# Altium PCB CATS-GS.PcbDoc (part 1 of 3) (continued)
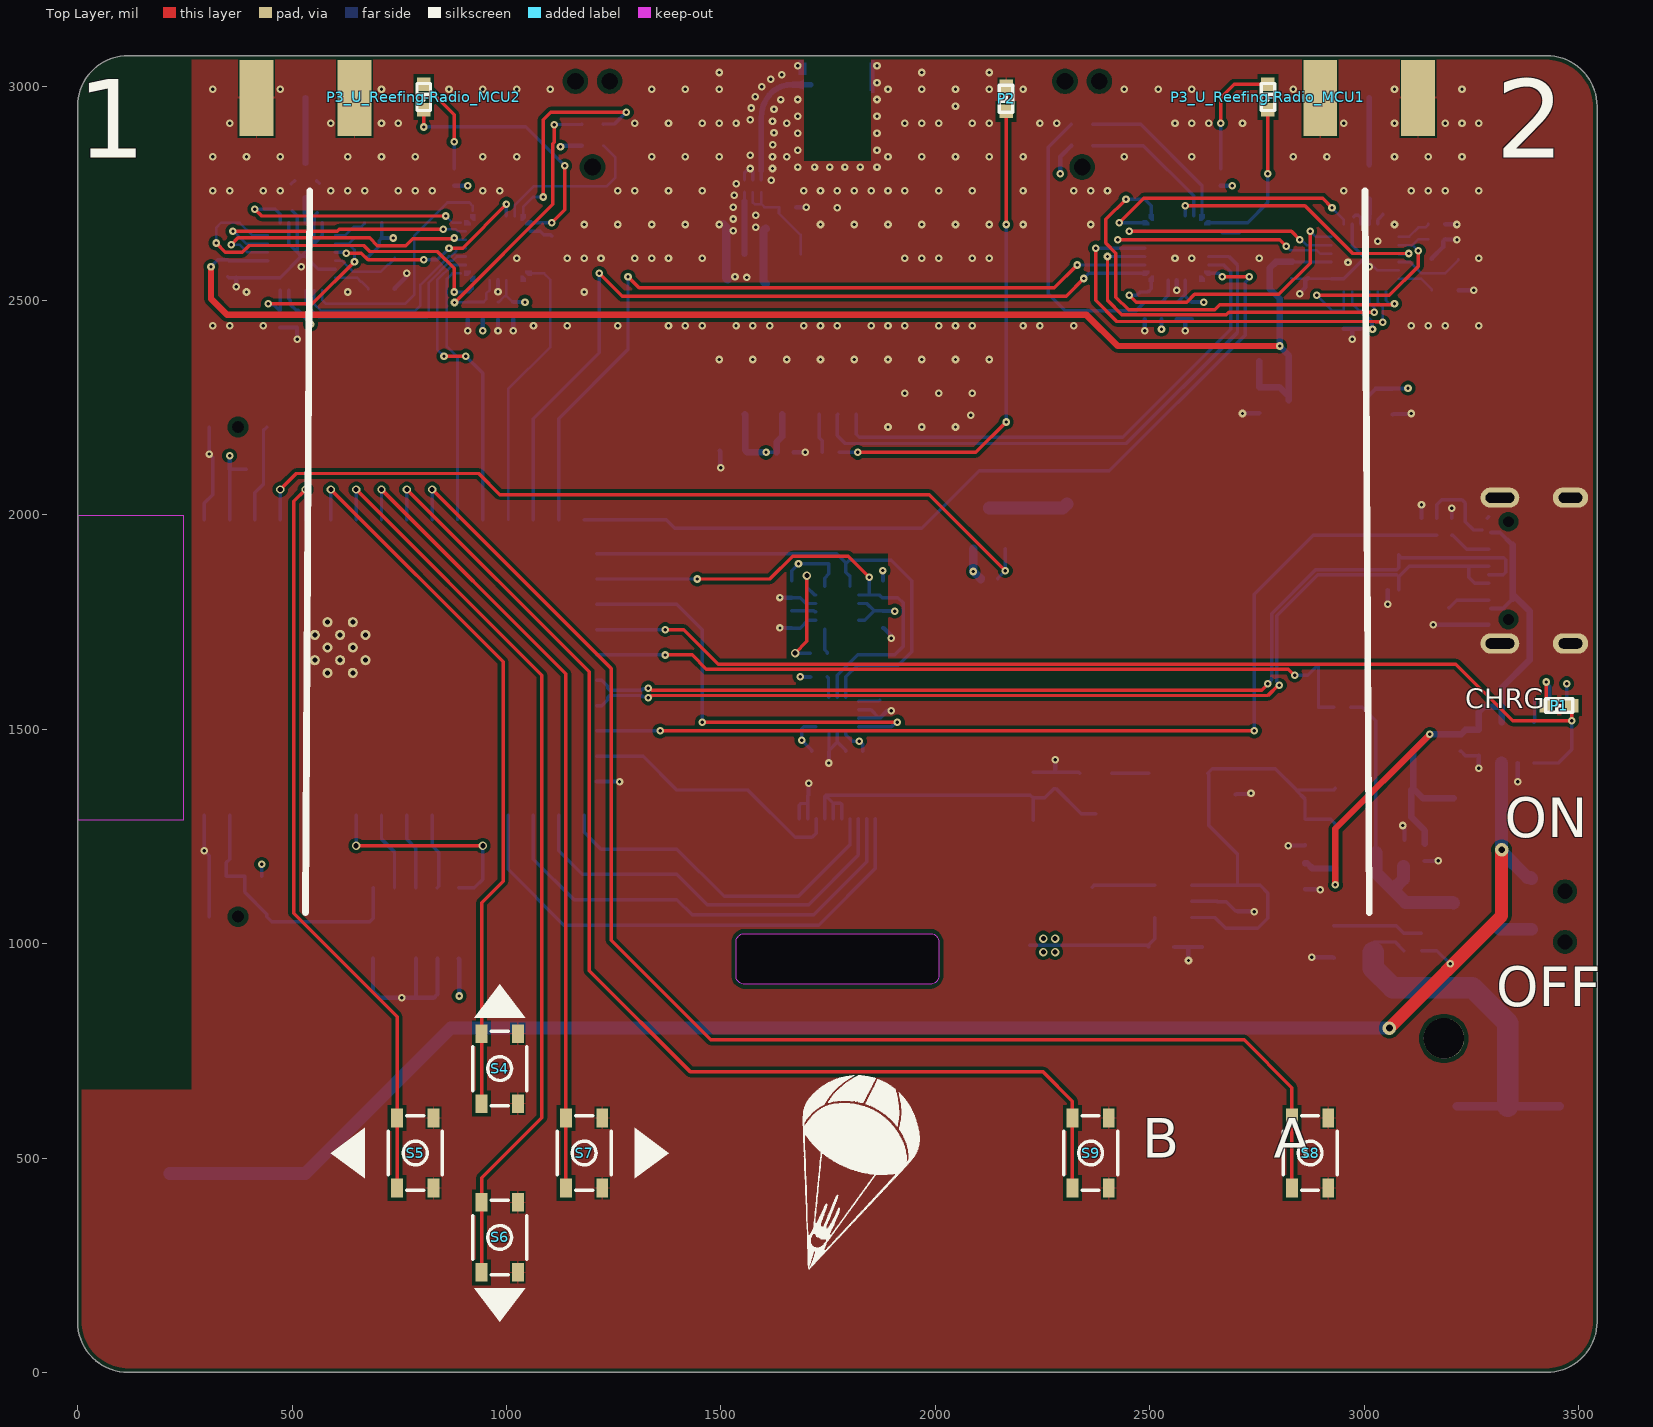
[diagram p0: Top Layer view]
## Components (designator, comment, footprint, x,y, rotation, side; value= is the part's Value field where it differs from the comment)
ANT1 "W3011A" "SMD ANTENNA W3011A" 1771.65,3021.65 r180 bottom
C1 "100nF" "SMD Keramikkondensator 0402" 3094.49,1003.94 r90 bottom
C2 "10uF" "SMD Keramikkondensator 0603" 2862.2,1157.48 r90 bottom
C3 "10uF" "SMD Keramikkondensator 0603" 3094.49,1212.6 r270 bottom
C4 "10uF" "SMD Keramikkondensator 0603" 2862.2,1259.84 r90 bottom
C5 "100nF" "SMD Keramikkondensator 0402" 2874.02,1551.18 r0 bottom
C6 "100nF" "SMD Keramikkondensator 0402" 2657.48,1118.11 r90 bottom
C7 "10uF" "SMD Keramikkondensator 0603" 2704.72,1106.3 r90 bottom
C8 "10uF" "SMD Keramikkondensator 0603" 2527.56,992.13 r180 bottom
C9 "22nF" "SMD Keramikkondensator 0603" 3066.93,2263.78 r90 bottom
C10 "22nF" "SMD Keramikkondensator 0603" 2755.91,2267.72 r90 bottom
C11 "10uF" "SMD Keramikkondensator 0603" 3267.72,1468.5 r90 bottom
C12 "100nF" "SMD Keramikkondensator 0402" 3224.41,1468.5 r90 bottom
C13 "10uF" "SMD Keramikkondensator 0603" 2700.79,1377.95 r90 bottom
C14 "100nF" "SMD Keramikkondensator 0402" 2279.53,1381.89 r270 bottom
C15 "10uF" "SMD Keramikkondensator 0603" 2228.35,1370.08 r270 bottom
C16 "4.7uF" "SMD Keramikkondensator 0402" 334.65,2106.3 r0 bottom
C17 "100nF" "SMD Keramikkondensator 0402" 334.65,2066.93 r0 bottom
C18 "100nF" "SMD Keramikkondensator 0402" 326.77,1157.48 r0 bottom
C19 "100nF" "SMD Keramikkondensator 0402" 1665.35,1826.77 r90 bottom
C20 "100nF" "SMD Keramikkondensator 0402" 1877.95,1755.91 r90 bottom
C21 "220nF" "SMD Keramikkondensator 0402" 1728.35,1677.17 r0 bottom
C22 "4.7uF" "SMD Keramikkondensator 0402" 1665.35,1755.91 r90 bottom
C23 "100nF" "SMD Keramikkondensator 0402" 1811.02,1448.82 r0 bottom
C24 "100nF" "SMD Keramikkondensator 0402" 1732.28,1448.82 r180 bottom
C25 "100nF" "SMD Keramikkondensator 0402" 1724.41,1346.46 r0 bottom
C26 "10uF" "SMD Keramikkondensator 0603" 1527.56,2149.61 r0 bottom
C27 "100nF" "SMD Keramikkondensator 0402" 1649.61,2145.67 r180 bottom
C28 "100nF" "SMD Keramikkondensator 0402" 1655.51,2717.52 r180 bottom
C29_U_Reefing-Radio_MCU1 "4.7uF" "SMD Keramikkondensator 0402" 2562.99,2476.38 r90 bottom (schematic designator C29)
C29_U_Reefing-Radio_MCU2 "4.7uF" "SMD Keramikkondensator 0402" 980.31,2476.38 r90 bottom (schematic designator C29)
C30_U_Reefing-Radio_MCU1 "100nF" "SMD Keramikkondensator 0402" 2598.43,2476.38 r90 bottom (schematic designator C30)
C30_U_Reefing-Radio_MCU2 "100nF" "SMD Keramikkondensator 0402" 1015.75,2476.38 r90 bottom (schematic designator C30)
C31_U_Reefing-Radio_MCU1 "100nF" "SMD Keramikkondensator 0402" 2488.19,2476.38 r90 bottom (schematic designator C31)
C31_U_Reefing-Radio_MCU2 "100nF" "SMD Keramikkondensator 0402" 909.45,2476.38 r90 bottom (schematic designator C31)
C32_U_Reefing-Radio1 "100nF" "SMD Keramikkondensator 0402" 2992.13,2453.74 r90 bottom (schematic designator C32)
C32_U_Reefing-Radio2 "100nF" "SMD Keramikkondensator 0402" 511.81,2456.69 r90 bottom (schematic designator C32)
C33_U_Reefing-Radio1 "10nF" "SMD Keramikkondensator 0402" 3169.29,2642.72 r180 bottom (schematic designator C33)
C33_U_Reefing-Radio2 "10nF" "SMD Keramikkondensator 0402" 688.98,2645.67 r180 bottom (schematic designator C33)
C34_U_Reefing-Radio1 "470nF" "SMD Keramikkondensator 0402" 2952.76,2453.74 r90 bottom (schematic designator C34)
C34_U_Reefing-Radio2 "470nF" "SMD Keramikkondensator 0402" 472.44,2456.69 r90 bottom (schematic designator C34)
C35_U_Reefing-Radio1 "10nF" "SMD Keramikkondensator 0402" 3169.29,2678.15 r180 bottom (schematic designator C35)
C35_U_Reefing-Radio2 "10nF" "SMD Keramikkondensator 0402" 688.98,2681.1 r180 bottom (schematic designator C35)
C36_U_Reefing-Radio1 "2.2uF" "SMD Keramikkondensator 0402" 2830.71,2571.85 r90 bottom (schematic designator C36)
C36_U_Reefing-Radio2 "2.2uF" "SMD Keramikkondensator 0402" 350.39,2574.8 r90 bottom (schematic designator C36)
C37_U_Reefing-Radio1 "100nF" "SMD Keramikkondensator 0402" 2870.08,2571.85 r90 bottom (schematic designator C37)
C37_U_Reefing-Radio2 "100nF" "SMD Keramikkondensator 0402" 389.76,2574.8 r90 bottom (schematic designator C37)
C38 "3.3pF" "SMD Keramikkondensator 0402" 1574.8,2884.84 r0 bottom
D1 "SS54" "SMD Diode DO-214-AC" 3023.62,1362.2 r0 bottom
D2 "PD4E1U06" "SMD IC SOT-363 (SC-70-6)" 3055.12,1866.14 r270 bottom
FL1_U_Reefing-Radio1 "DEA202450BT-1213C1" "SMD Filter DEA202450BT" 3011.81,2776.57 r90 bottom (schematic designator FL1)
FL1_U_Reefing-Radio2 "DEA202450BT-1213C1" "SMD Filter DEA202450BT" 531.5,2779.53 r90 bottom (schematic designator FL1)
L1 "10µH" "SMD Inductor 4x4x1.8" 2366.14,1062.99 r270 bottom
L2 "100µH" "SMD Inductor 1812" 2913.39,2267.72 r180 bottom
L3 "22µH" "SMD Inductor 4x4x1.8" 2566.93,1397.64 r180 bottom
LS1 "Buzzer" "SMD BUZZER CMT-8504" 2440.94,1889.76 r270 bottom
P1 "LED" "SMD LED 0603" 3456.69,1555.12 r180 top
P2 "LED" "SMD LED 0603" 2165.35,2972.44 r270 top
P3_U_Reefing-Radio_MCU1 "LED" "SMD LED 0603" 2775.59,2972.44 r90 top (schematic designator P3)
P3_U_Reefing-Radio_MCU2 "LED" "SMD LED 0603" 807.09,2972.44 r90 top (schematic designator P3)
Q1 "SKML6401" "SMD MOSFET SOT-23" 2980.32,1212.6 r180 bottom
Q2 "AW5105DNR" "SMD LNA AW5105DNR" 1574.8,2766.73 r0 bottom
Q3_U_Reefing-Radio1 "52MHz" "SMD Crystal 2520" 3188.98,2560.04 r270 bottom (schematic designator Q3)
Q3_U_Reefing-Radio2 "52MHz" "SMD Crystal 2520" 708.66,2562.99 r270 bottom (schematic designator Q3)
Q4 "SKML6401" "SMD MOSFET SOT-23" 2125.98,1968.5 r270 bottom
R1 "5.1k" "SMD Widerstand 0402" 3169.29,1972.44 r270 bottom
R2 "5.1k" "SMD Widerstand 0402" 3196.85,1763.78 r90 bottom
R3 "5.1k" "SMD Widerstand 0402" 3204.72,1972.44 r270 bottom
R4 "10k" "SMD Widerstand 0402" 3133.86,1972.44 r90 bottom
R5 "200k" "SMD Widerstand 0402" 2948.82,1551.18 r0 bottom
R6 "1.0k" "SMD Widerstand 0402" 3133.86,1003.94 r270 bottom
R7 "200k" "SMD Widerstand 0402" 2874.02,1594.49 r0 bottom
R8 "10k" "SMD Widerstand 0402" 3141.73,1212.6 r90 bottom
R9 "1.0k" "SMD Widerstand 0402" 3452.76,1570.87 r0 bottom
R10 "2.0k" "SMD Widerstand 0402" 3377.95,1570.87 r0 bottom
R11 "10k" "SMD Widerstand 0402" 413.39,2106.3 r180 bottom
R12 "10k" "SMD Widerstand 0402" 1728.35,1622.05 r180 bottom
R13 "4.7k" "SMD Widerstand 0402" 1771.65,1885.83 r180 bottom
R14 "4.7k" "SMD Widerstand 0402" 1877.95,1826.77 r90 bottom
R15 "10k" "SMD Widerstand 0402" 1870.08,1547.24 r90 bottom
R16 "1.0k" "SMD Widerstand 0402" 1755.91,2145.67 r180 bottom
R17_U_Reefing-Radio_MCU1 "1.0k" "SMD Widerstand 0402" 2665.35,2787.4 r270 bottom (schematic designator R17)
R17_U_Reefing-Radio_MCU2 "1.0k" "SMD Widerstand 0402" 877.95,2787.4 r270 bottom (schematic designator R17)
R18_U_Reefing-Radio_MCU1 "10k" "SMD Widerstand 0402" 2527.56,2476.38 r270 bottom (schematic designator R18)
R18_U_Reefing-Radio_MCU2 "10k" "SMD Widerstand 0402" 944.88,2476.38 r270 bottom (schematic designator R18)
R19 "10k" "SMD Widerstand 0402" 409.45,1157.48 r0 bottom
R20_U_Reefing-Radio_MCU1 "10k" "SMD Widerstand 0402" 2708.66,2637.8 r90 bottom (schematic designator R20)
R20_U_Reefing-Radio_MCU2 "10k" "SMD Widerstand 0402" 1110.24,2633.86 r90 bottom (schematic designator R20)
R21 "10k" "SMD Widerstand 0402" 2125.98,1850.39 r180 bottom
S1 "SPDT" "SMD Switch SPDT 90° G-Switch" 3468.5,1062.99 r90 bottom
S2 "SMD-Button" "SMD BUTTON 2.5X3X1.2" 374.02,1062.99 r270 bottom
S3 "SMD-Button" "SMD BUTTON 2.5X3X1.2" 374.02,2204.72 r270 bottom
S4 "SMD-Button" "SMD Button 4.2x3.2" 984.25,708.66 r90 top
S5 "SMD-Button" "SMD Button 4.2x3.2" 787.4,511.81 r90 top
S6 "SMD-Button" "SMD Button 4.2x3.2" 984.25,314.96 r90 top
S7 "SMD-Button" "SMD Button 4.2x3.2" 1181.1,511.81 r90 top
S8 "SMD-Button" "SMD Button 4.2x3.2" 2874.02,511.81 r90 top
S9 "SMD-Button" "SMD Button 4.2x3.2" 2362.2,511.81 r90 top
TP1 "X-TP" "SMD Testpoint 1mm" 3208.66,1094.49 r90 bottom
TP2 "X-TP" "SMD Testpoint 1mm" 2842.52,1358.27 r90 bottom
TP3 "X-TP" "SMD Testpoint 1mm" 2893.7,1645.67 r90 bottom
TP4 "X-TP" "SMD Testpoint 1mm" 3208.66,1338.58 r90 bottom
TP5 "X-TP" "SMD Testpoint 1mm" 2622.05,992.13 r90 bottom
TP6 "X-TP" "SMD Testpoint 1mm" 2220.47,996.06 r90 bottom
TP7 "X-TP" "SMD Testpoint 1mm" 2755.91,2358.27 r90 bottom
TP8 "X-TP" "SMD Testpoint 1mm" 2228.35,1287.4 r90 bottom
TP9 "X-TP" "SMD Testpoint 1mm" 885.83,2224.41 r90 bottom
TP10 "X-TP" "SMD Testpoint 1mm" 944.88,2224.41 r90 bottom
TP11 "X-TP" "SMD Testpoint 1mm" 1003.94,2224.41 r90 bottom
TP12 "X-TP" "SMD Testpoint 1mm" 1062.99,2224.41 r90 bottom
TP13 "X-TP" "SMD Testpoint 1mm" 1122.05,2224.41 r90 bottom
TP14 "X-TP" "SMD Testpoint 1mm" 1397.64,1968.5 r90 bottom
TP15 "X-TP" "SMD Testpoint 1mm" 1397.64,1909.45 r90 bottom
TP16 "X-TP" "SMD Testpoint 1mm" 1397.64,1850.39 r90 bottom
TP17 "X-TP" "SMD Testpoint 1mm" 1397.64,1791.34 r90 bottom
TP18 "X-TP" "SMD Testpoint 1mm" 1397.64,1358.27 r90 bottom
TP19 "X-TP" "SMD Testpoint 1mm" 1397.64,1220.47 r90 bottom
TP20 "X-TP" "SMD Testpoint 1mm" 1397.64,1161.42 r90 bottom
TP21 "X-TP" "SMD Testpoint 1mm" 1397.64,1102.36 r90 bottom
TP22 "X-TP" "SMD Testpoint 1mm" 1397.64,1043.31 r90 bottom
U1 "RY2200" "SMD IC SOT-23" 2976.38,1003.94 r180 bottom
U2 "TPS62203DBVR" "SMD IC SOT-23-5" 2555.12,1098.43 r0 bottom
U3 "ME4055AM6G-N" "SMD IC SOT-23-6" 3358.27,1468.5 r270 bottom
U4 "ME2188A50XG" "SMD IC SOT-23" 2374.02,1350.39 r90 bottom
U5 "ESP32-S2-WROVER" "SMD ESP32-S2-WROOM" 610.24,1643.7 r270 bottom
U6 "QMC5883L" "SMD IC LGA-16 4/4" 1771.65,1783.46 r180 bottom
U7 "LSM6DSRTR" "SMD IC LGA-14" 1771.65,1535.43 r180 bottom
U8 "ATGM336H-5N" "SMD MAX-8" 1686.02,2421.26 r180 bottom
U9_U_Reefing-Radio_MCU1 "STM32G071GBU6" "SMD IC QFN-28 4x4 0.5 Pitch" 2562.99,2622.05 r180 bottom (schematic designator U9)
U9_U_Reefing-Radio_MCU2 "STM32G071GBU6" "SMD IC QFN-28 4x4 0.5 Pitch" 980.31,2622.05 r180 bottom (schematic designator U9)
U10_U_Reefing-Radio1 "SX1280IMLTRT" "SMD IC QFN-24" 3001.97,2599.41 r180 bottom (schematic designator U10)
U10_U_Reefing-Radio2 "SX1280IMLTRT" "SMD IC QFN-24" 521.65,2602.36 r180 bottom (schematic designator U10)
X1 "USB 2.0 Typ-C" "THT USB-C Socket (A40-00119)" 3385.83,1870.08 r90 bottom
X2 "SMA Connector" "SMD Connector SMA" 531.5,2972.44 r180 bottom
X3 "18650" "SMD 18650 BATTTERY HOLDER" 1775.16,463.9 r0 bottom
X4 "SMA Connector" "SMD Connector SMA" 3011.81,2972.44 r180 bottom
X5 "FFC" "SMD Connector FFC/FPC 10Pin / 0.5mm Pitch" 1771.65,1240.16 r180 bottom
X6 "JTAG-Header (ARM-Cortex)" "SMD Connector 1.27mm (2x5)" 788.98,1047.24 r180 bottom
X7_U_Reefing-Radio_MCU1 "TC2030-CTX-NL" "SMD CONNECTOR TC2030" 2342.52,2811.02 r90 bottom (schematic designator X7)
X7_U_Reefing-Radio_MCU2 "TC2030-CTX-NL" "SMD CONNECTOR TC2030" 1200.79,2811.02 r90 bottom (schematic designator X7)

## Footprints (in the part's own frame and the unit in brackets; to place one, negate y for a bottom-side part, rotate by r counter-clockwise, add the part's x,y. Pads: shape width x height; smd on the part's side, far side on the other; paste and mask are expansions set on the pad)
"SMD 18650 BATTTERY HOLDER" [mm]
  rect 7.35x7.77 smd: 1(-39.63,0) 2(39.63,0)
  round 2.4 hole 2.4: NC(35.84,-8)
  silkscreen extent -38.5,-10.25 38.5,10.25, body extent -43,-10.33 43,10.33, height 14.86
"SMD ANTENNA W3011A" [mm]
  rect 0.85x0.75 smd: 1(1.575,-0.475) 2(1.575,0.475)
  rect 0.85x1.7 smd: 3(-1.575,0)
  body extent -1.61,-0.8 1.61,0.8, height 1.12
"SMD BUTTON 2.5X3X1.2" [mm] "SMD_LED_RED"
  rect 1.7x1.4 smd: 1(0,-1.7) 2(0,1.7)
  round 0 hole 0.7: 6(0,0)
  silkscreen extent -1.25,-1.5 1.25,1.5, body extent -1.25,-2 1.25,2, height 1.6
"SMD Button 4.2x3.2" [mm]
  rect 1.1x0.7 smd: 1(-2.075,1.075) 1(2.075,1.075) 2(-2.075,-1.075) 2(2.075,-1.075)
  silkscreen extent -2.2,-1.6 2.2,1.6, body extent -2.3,-1.6 2.3,1.61, height 2.4
"SMD BUZZER CMT-8504" [mm]
  rect 2.5x2.5 smd: 1(-3.45,3.4) 2(-3.45,-3.4) NC(3.45,-3.4) NC(3.45,3.4)
  silkscreen extent -4.55,-4.2 4.25,6.2, body extent -4.3,-4.28 4.23,4.25, height 4
"SMD Connector 1.27mm (2x5)" [mm]
  rect 0.8x3 smd mask+0.051: 1(-2.54,-2.1) 2(-2.54,2.1) 3(-1.27,-2.1) 4(-1.27,2.1) 5(0,-2.1) 6(0,2.1) 7(1.27,-2.1) 8(1.27,2.1) 9(2.54,-2.1) 10(2.54,2.1)
  silkscreen extent -6.35,-2.54 6.35,3.05, body extent -6.35,-3.05 6.35,3.05, height 5.45
"SMD Connector FFC/FPC 10Pin / 0.5mm Pitch" [mm]
  rect 0.3x1.25 smd: 1(-2.25,1.288) 2(-1.75,1.288) 3(-1.25,1.288) 4(-0.75,1.288) 5(-0.25,1.288) 6(0.25,1.288) 7(0.75,1.288) 8(1.25,1.288) 9(1.75,1.288) 10(2.25,1.288)
  rect 2x2.5 smd: NC(-3.94,-1.288) NC(3.94,-1.288)
  silkscreen extent -4.7,-3.9 4.6,1.9, body extent -4.65,-4.05 4.65,1.8, height 2.11
"SMD Connector SMA" [mm]
  rect 1.2x4.5 smd: 1(0,0)
  rect 2x4.5 smd far side: 2(-2.9,0) 2(2.9,0)
  rect 2x4.5 smd: 2(-2.9,0) 2(2.9,0)
  body extent -3.25,-1.63 3.25,11.87, height 3.7
"SMD CONNECTOR TC2030" [mm]
  round 0.787 smd paste-1: 1(1.27,-0.635) 2(1.27,0.635) 3(2.54,-0.635) 4(2.54,0.635) 5(3.81,-0.635) 6(3.81,0.635)
  round 0.1 hole 0.991: NC(0,0) NC(5.08,-1.016) NC(5.08,1.016)
  silkscreen extent 0,-1.27 4.44,1.27
"SMD Crystal 2520" [mm]
  rect 1x0.9 smd: 1(-0.925,-0.787) 2(0.925,0.788) 3(-0.925,0.788) 3(0.925,-0.787)
  silkscreen extent -1.85,-1.61 1.2,1, body extent -1.25,-1 1.25,1, height 0.7
"SMD Diode DO-214-AC" [mm] "SM LED; 2 Flat Leads"
  rect 2x1.8 smd: A(2.3,0) K(-2.3,0)
  silkscreen extent -2.3,-1.36 2.3,1.27, body extent -2.8,-1.47 2.8,1.48, height 2.7
"SMD ESP32-S2-WROOM" [mm]
  rect 1.5x0.9 smd: 1(-8.75,8) 2(-8.75,6.5) 3(-8.75,5) 4(-8.75,3.5) 5(-8.75,2) 6(-8.75,0.5) 7(-8.75,-1) 8(-8.75,-2.5) 9(-8.75,-4) 10(-8.75,-5.5) 11(-8.75,-7) 12(-8.75,-8.5) 13(-8.75,-10) 14(-8.75,-11.5) 15(-8.75,-13) 16(-8.75,-14.5) 27(8.75,-14.5) 28(8.75,-13) 29(8.75,-11.5) 30(8.75,-10) 31(8.75,-8.5) 32(8.75,-7) 33(8.75,-5.5) 34(8.75,-4) 35(8.75,-2.5) 36(8.75,-1) 37(8.75,0.5) 38(8.75,2) 39(8.75,3.5) 40(8.75,5) 41(8.75,6.5) 42(8.75,8)
  rect 0.9x1.5 smd: 17(-6.75,-15.25) 18(-5.25,-15.25) 19(-3.75,-15.25) 20(-2.25,-15.25) 21(-0.75,-15.25) 22(0.75,-15.25) 23(2.25,-15.25) 24(3.75,-15.25) 25(5.25,-15.25) 26(6.75,-15.25)
  rect 1.1x1.1 smd: 43(-2.69,-1.55) 43(-2.69,-0.05) 43(-2.69,1.45) 43(-1.19,-1.55) 43(-1.19,-0.05) 43(-1.19,1.45) 43(0.31,-1.55) 43(0.31,-0.05) 43(0.31,1.45)
  round 0.6 hole 0.3: 43(-2.69,-0.8) 43(-2.69,0.7) 43(-1.94,-1.55) 43(-1.94,-0.05) 43(-1.94,1.45) 43(-1.19,-0.8) 43(-1.19,0.7) 43(-0.44,-1.55) 43(-0.44,-0.05) 43(-0.44,1.45) 43(0.31,-0.8) 43(0.31,0.7)
  Keep-Out Layer region: 9,9.2 -9,9.2 -9,15.5 9,15.5
  Keep-Out Layer region: 9,9.2 -9,9.2 -9,15.5 9,15.5
  Keep-Out Layer region: 9,9.2 -9,9.2 -9,15.5 9,15.5
  silkscreen extent -10.28,-15.5 9,15.5, body extent -9,-15.55 9,15.45, height 3.3
"SMD Filter DEA202450BT" [mm]
  rect 0.55x0.35 smd: 1(-1.025,0) 3(1.025,0)
  rect 1.25x0.55 smd: 2(0,0.65) 4(0,-0.65)
  silkscreen extent -0.5,-0.2 -0.25,0.2, body extent -1,-0.63 1,0.63, height 0.9
"SMD IC LGA-14" [mm]
  rect 0.675x0.25 smd: 1(-1.262,0.75) 2(-1.262,0.25) 3(-1.262,-0.25) 4(-1.262,-0.75) 8(1.263,-0.75) 9(1.263,-0.25) 10(1.263,0.25) 11(1.263,0.75)
  rect 0.25x0.675 smd: 5(-0.5,-1.004) 6(0,-1.004) 7(0.5,-1.004) 12(0.5,1.004) 13(0,1.004) 14(-0.5,1.004)
  silkscreen extent -1.86,-1.25 1.5,1.61, body extent -1.5,-1.25 1.5,1.25, height 0.84
"SMD IC LGA-16 4/4" [mm]
  rect 0.45x0.3 smd: 1(-1.275,0.75) 2(-1.275,0.25) 3(-1.275,-0.25) 4(-1.275,-0.75) 9(1.275,-0.75) 10(1.275,-0.25) 11(1.275,0.25) 12(1.275,0.75)
  rect 0.3x0.45 smd: 5(-0.75,-1.275) 6(-0.25,-1.275) 7(0.25,-1.275) 8(0.75,-1.275) 13(0.75,1.275) 14(0.25,1.275) 15(-0.25,1.275) 16(-0.75,1.275)
  silkscreen extent -1.5,-1.5 1.5,1.5, body extent -1.5,-1.5 1.5,1.5, height 1
"SMD IC QFN-24" [mm] "QFN, 24-Leads, Body 4x4mm, Pitch 0.5mm, Thermal Pad 2.68x2.68mm, IPC Medium Density"
  rect 2.68x2.68 smd: 0(0,0)
  oval 0.7x0.22 smd: 1(-2,1.25) 2(-2,0.75) 3(-2,0.25) 4(-2,-0.25) 5(-2,-0.75) 6(-2,-1.25) 13(2,-1.25) 14(2,-0.75) 15(2,-0.25) 16(2,0.25) 17(2,0.75) 18(2,1.25)
  oval 0.22x0.7 smd: 7(-1.25,-2) 8(-0.75,-2) 9(-0.25,-2) 10(0.25,-2) 11(0.75,-2) 12(1.25,-2) 19(1.25,2) 20(0.75,2) 21(0.25,2) 22(-0.25,2) 23(-0.75,2) 24(-1.25,2)
  silkscreen extent -2.93,-2.15 2.15,2.15, body extent -2,-2 2,2, height 0.9
"SMD IC QFN-28 4x4 0.5 Pitch" [mm] "QFN, 28-Leads"
  rect 0.3x0.35 smd: 1(-1.5,-2) 7(1.5,-2) 15(1.5,2) 21(-1.5,2)
  rect 0.3x0.55 smd: 2(-1,-1.9) 3(-0.5,-1.9) 4(0,-1.9) 5(0.5,-1.9) 6(1,-1.9) 16(1,1.9) 17(0.5,1.9) 18(0,1.9) 19(-0.5,1.9) 20(-1,1.9)
  rect 0.35x0.3 smd: 8(2,-1.5) 14(2,1.5) 22(-2,1.5) 28(-2,-1.5)
  rect 0.55x0.3 smd: 9(1.9,-1) 10(1.9,-0.5) 11(1.9,0) 12(1.9,0.5) 13(1.9,1) 23(-1.9,1) 24(-1.9,0.5) 25(-1.9,0) 26(-1.9,-0.5) 27(-1.9,-1)
  Top Layer region: 2,-1.35 1.625,-1.35 1.625,-1.5 1.775,-1.65 2,-1.65
  Top Layer region: 1.35,-2 1.35,-1.625 1.5,-1.625 1.65,-1.775 1.65,-2
  Top Layer region: -2,-1.35 -1.625,-1.35 -1.625,-1.5 -1.775,-1.65 -2,-1.65
  Top Layer region: -1.35,-2 -1.35,-1.625 -1.5,-1.625 -1.65,-1.775 -1.65,-2
  Top Layer region: 2,1.35 1.625,1.35 1.625,1.5 1.775,1.65 2,1.65
  Top Layer region: 1.35,2 1.35,1.625 1.5,1.625 1.65,1.775 1.65,2
  Top Layer region: -1.35,2 -1.35,1.625 -1.5,1.625 -1.65,1.775 -1.65,2
  Top Layer region: -2,1.35 -1.625,1.35 -1.625,1.5 -1.775,1.65 -2,1.65
  silkscreen extent -2.17,-2.95 2.17,2.17, body extent -2,-2 2,2, height 0.8
"SMD IC SOT-23" [mm]
  rect 1.5x1 smd: 1(1.2,-0.95) 2(1.2,0.95) 3(-1.2,0)
  silkscreen extent -0.7,-1.5 0.7,1.5, body extent -1.2,-1.5 1.3,1.5, height 1.1
"SMD IC SOT-23-5" [mm]
  rect 1.2x0.7 smd: 1(1.1,-0.95) 2(1.1,0) 3(1.1,0.95) 4(-1.1,0.95) 5(-1.1,-0.95)
  silkscreen extent -0.7,-1.5 0.7,1.5, body extent -1.3,-1.5 1.2,1.5, height 1.1
"SMD IC SOT-23-6" [mm] "SOT-223/SC-73; 4 Leads; Body 6.7 x 7.3 mm, inc. leads (LxW max)"
  rect 1.2x0.7 smd: 1(1.2,-0.95) 2(1.2,0) 3(1.2,0.95) 4(-1.2,0.95) 5(-1.2,0) 6(-1.2,-0.95)
  silkscreen extent -0.8,-1.9 1.2,1.4, body extent -1.4,-1.45 1.4,1.45, height 1.45
"SMD IC SOT-363 (SC-70-6)" [mm]
  rect 0.8x0.5 smd: 1(1.05,-0.65) 2(1.05,0) 3(1.05,0.65) 4(-1.05,0.65) 5(-1.05,0) 6(-1.05,-0.65)
  silkscreen extent -0.63,-1.4 0.8,1.05, body extent -1.05,-1 1.05,1, height 0.92
"SMD Inductor 4x4x1.8" [mm]
  rect 1.4x3.3 smd: 1(-1.75,0) 2(1.75,0)
  silkscreen extent -2,-2 2,2, body extent -2,-2 2,2, height 1.65
"SMD Inductor 1812" [mm]
  rect 1.5x2.8 smd: 1(-2.25,0) 2(2.25,0)
  silkscreen extent -2.25,-1.5 2.25,1.5, body extent -2.25,-1.6 2.25,1.6, height 3.2
"SMD Keramikkondensator 0402" [mil]
  rect 20x24 smd: 1(-20,0) 2(20,0)
  silkscreen extent -20,-10 20,10, body extent -20,-10 20,10, height 20
"SMD Keramikkondensator 0603" [mil]
  rect 25x35 smd: 1(-30,0) 2(30,0)
  silkscreen extent -30,-15 30,15, body extent -31,-16 31,16, height 32
"SMD LED 0603" [mm] "SMD_LED_RED"
  rect 0.8x0.8 smd: A(0.8,0) K(-0.7,0)
  silkscreen extent -0.75,-0.4 0.85,0.4, body extent -0.79,-0.36 0.86,0.37, height 0.68
"SMD LNA AW5105DNR" [mm]
  rect 0.2x0.5 smd: 1(-0.5,-0.375) 3(0.5,-0.375) 4(0.5,0.375) 5(0,0.375)
  rect 0.2x0.45 smd: 2(0,-0.375) 6(-0.5,0.375)
  silkscreen extent -1.02,-0.67 0.8,0.5, body extent -0.75,-0.5 0.75,0.5, height 0.55
"SMD MAX-8" [mm]
  rect 0.7x1.8 smd: 1(-4.4,-4.75) 9(4.4,-4.75) 10(4.4,4.75) 18(-4.4,4.75)
  rect 0.8x1.8 smd: 2(-3.3,-4.75) 3(-2.2,-4.75) 4(-1.1,-4.75) 5(0,-4.75) 6(1.1,-4.75) 7(2.2,-4.75) 8(3.3,-4.75) 11(3.3,4.75) 12(2.2,4.75) 13(1.1,4.75) 14(0,4.75) 15(-1.1,4.75) 16(-2.2,4.75) 17(-3.3,4.75)
  silkscreen extent -5.05,-6.52 5.05,4.85, body extent -5.05,-4.85 5.05,4.85, height 2.5
"SMD MOSFET SOT-23" [mm]
  rect 1.5x1 smd: D(-1.2,0) G(1.2,-0.95) S(1.2,0.95)
  silkscreen extent -1.2,-1.28 0.3,1.27, body extent -1.2,-1.5 1.3,1.5, height 1.1
"SMD Switch SPDT 90° G-Switch" [mm]
  rect 0.9x1.25 smd: 1(-2.25,-2.075) 2(-0.75,-2.075) 3(2.25,-2.075)
  rect 0.8x0.96 smd: NC(-3.8,-1.135) NC(-3.8,1.135) NC(3.8,-1.135) NC(3.8,1.135)
  round 0.5 hole 0.9: NC(-1.5,0) NC(1.5,0)
  silkscreen extent -3.4,-1.4 3.4,2.8, body extent -3.85,-2.2 3.85,2.8, height 1.4
"SMD Testpoint 1mm" [mm]
  round 1 smd paste+0 mask+0.102: 1(0,0)
"SMD Widerstand 0402" [mil]
  rect 20x24 smd: 1(-20,0) 2(20,0)
  silkscreen extent -20,-10 20,10, body extent -20,-10 20,10, height 14
"THT USB-C Socket (A40-00119)" [mm]
  rect 0.6x1.25 smd: A1B12(3.2,-2.425) A4B9(2.4,-2.425) B1A12(-3.2,-2.425) B4A9(-2.4,-2.425)
  rect 0.3x1.25 smd: A5(1.25,-2.425) A6(0.25,-2.425) A7(-0.25,-2.425) A8(-1.25,-2.425) B5(-1.75,-2.425) B6(-0.75,-2.425) B7(0.75,-2.425) B8(1.75,-2.425)
  oval 1.2x2.1 hole 0.6 slot 1.4 at 90 deg: G1(4.32,2.425) G3(-4.32,2.425)
  oval 1.2x2.3 hole 0.6 slot 1.7 at 90 deg: G2(4.32,-1.755) G4(-4.32,-1.755)
  round 0 hole 0.65 unplated: NC(-2.89,-1.255) NC(2.89,-1.255)
  silkscreen extent -4.4,-2.27 4.4,5.03, body extent -4.47,-2.8 4.48,4.95, height 3.26

## Part data
ANT1: "RF ANT 1.575GHZ CHIP SOLDER SMD", ComponentLink1Description=Datasheet, ComponentLink1URL=https://media.digikey.com/pdf/Data%20Sheets/Pulse%20PDFs/W3011A_DS.pdf, Digikey=553-1671-1-ND
C1 C5 C6 C12 C14 C17 C18 C19 C20 C23 C24 C25 C27 C28 C30_U_Reefing-Radio_MCU1 C30_U_Reefing-Radio_MCU2 C31_U_Reefing-Radio_MCU1 C31_U_Reefing-Radio_MCU2 C32_U_Reefing-Radio1 C32_U_Reefing-Radio2 C37_U_Reefing-Radio1 C37_U_Reefing-Radio2: library part "E6 - 100nF", "SMD Ceramic Capacitor E6", JLC=C307331, Unit Price=0.01
  C17 C18: Number=-, Supplier=-
C2 C3 C4 C7 C8 C11 C13 C15 C26: library part "E6 - 10uF", "SMD Ceramic Capacitor E6", JLC=C70225, Unit Price=0.01
C9 C10: library part "E6 - 22nF", "SMD Ceramic Capacitor E6", JLC=C1729, Unit Price=0.01
C16 C22 C29_U_Reefing-Radio_MCU1 C29_U_Reefing-Radio_MCU2: library part "E6 - 4.7uF", "SMD Ceramic Capacitor E6", JLC=C23733, Unit Price=0.01
  C16: Number=-, Supplier=-
C21: library part "E6 - 220nF", "SMD Ceramic Capacitor E6", JLC=C16772, Number=-, Supplier=-, Unit Price=0.01
C33_U_Reefing-Radio1 C33_U_Reefing-Radio2 C35_U_Reefing-Radio1 C35_U_Reefing-Radio2: library part "E6 - 10nF", "SMD Ceramic Capacitor E6", JLC=C15195, Unit Price=0.01
C34_U_Reefing-Radio1 C34_U_Reefing-Radio2: library part "E6 - 470nF", "SMD Ceramic Capacitor E6", JLC=C47339, Unit Price=0.01
C36_U_Reefing-Radio1 C36_U_Reefing-Radio2: library part "E6 - 2.2uF", "SMD Ceramic Capacitor E6", JLC=C193620, Unit Price=0.01
C38: library part "E6 - 3.3nF", "SMD Ceramic Capacitor E6", Number=-, Supplier=-, Unit Price=0.01
D1: "40V 5A 550mV @ 5A SMA(DO-214AC) Schottky Barrier Diodes (SBD) ROHS", JLC=C22452, ComponentLink1Description=Datasheet, ComponentLink1URL=https://datasheet.lcsc.com/lcsc/1810192041_MDD%EF%BC%88Microdiode-Electronics%EF%BC%89-SS54_C22452.pdf, Unit Price=0.07
D2: library part PD4E1U06DCKR, "Unidirectional 3A (8/20us) 15V (Typ) 6.5V 5.5V (Max) SOT-363 ESD Protection Devices ROHS", JLC=C194628, Component Description="ESD Suppressor", Component Value=PD4E1U06, ComponentLink1Description=Datasheet, ComponentLink1URL=https://datasheet.lcsc.com/lcsc/1810172210_Texas-Instruments-TPD4E1U06DCKR_C194628.pdf, Digikey=296-39347-1-ND, Farnell=3116516, Mouser=595-TPD4E1U06DCKR, Unit Price=0.12
FL1_U_Reefing-Radio1 FL1_U_Reefing-Radio2: "Multilayer Band Pass Filter 2400-2500MHz", JLC=C307898, ComponentLink1Description=Datasheet, ComponentLink1URL=https://datasheet.lcsc.com/lcsc/1811021613_TDK-DEA202450BT-1213C1_C307898.pdf
L1: library part "Inductor 10µH / 1.6A", "165mOhm SMD, 1.6A", JLC=C135263, ComponentLink1Description=Datasheet, ComponentLink1URL=https://datasheet.lcsc.com/lcsc/2108131530_SXN-Shun-Xiang-Nuo-Elec-SMNR4020-10UH_C135263.pdf, Unit Price=0.07
L2: library part "Inductor 100µH / 0.25A", "0.25A 100µH ±20% 144mΩ SMD Power Inductors", JLC=C76822, ComponentLink1Description=Datasheet, ComponentLink1URL=https://datasheet.lcsc.com/lcsc/2110081330_Sunlord-SPH252012H3R3MT_C98379.pdf, Unit Price=0.19
L3: library part "Inductor 22µH / 1A", "350mOhm SMD, 1A", JLC=C135264, ComponentLink1Description=Datasheet, ComponentLink1URL=https://datasheet.lcsc.com/lcsc/2108131530_SXN-Shun-Xiang-Nuo-Elec-SMNR4020-22UH_C135264.pdf
LS1: "Buzzers Indicator, Internally Driven Piezo 12V 10mA 3kHz 100dB @ 12V, 10cm Through Hole PC Pins", JLC=C255315, ComponentLink1Description=Datasheet, ComponentLink1URL=https://datasheet.lcsc.com/lcsc/2001061407_INGHAi-GSC8530RA-16R2700_C255315.pdf, Digikey=2603-CT08E-06S300-2TR-ND, Unit Price=0.4057
P1 P2: "Color LED", JLC=C2286
P3_U_Reefing-Radio_MCU1 P3_U_Reefing-Radio_MCU2: "Color LED", JLC=C72043
Q1 Q4: "P Channel MOSFET, 16V 3A, SOT-23", JLC=C475708, ComponentLink1Description=Datasheet, ComponentLink1URL=https://datasheet.lcsc.com/lcsc/2001131004_Shikues-SKML6401_C475708.pdf
Q2: "BDS/GPS/GNSS INTEGRATED FRONT-END MODULE WITH / LOW NOISE AMPLIFIER AND FILTER", JLC=C506193, ComponentLink1Description=Datasheet, ComponentLink1URL=https://datasheet.lcsc.com/lcsc/2008041805_AWINIC-Shanghai-Awinic-Tech-AW5105DNR_C506193.pdf
Q3_U_Reefing-Radio1 Q3_U_Reefing-Radio2: library part "Crystal 52MHz - 2520", "52Mhz Ceramic 2.5 x 2.0mm SMD 10pF 60Ω ±10ppm", JLC=C963550, ComponentLink1Description=Datasheet, ComponentLink1URL=https://datasheet.lcsc.com/lcsc/2012211835_WTL-WTL2M75523TW_C963550.pdf, Unit Price=0.39
R1 R2 R3: library part "E24 - 5.1k", "SMD Chip Resistor E24", JLC=C25905, Number=-, Supplier=-, Unit Price=0.01
R4 R8 R11 R12 R15 R18_U_Reefing-Radio_MCU1 R18_U_Reefing-Radio_MCU2 R19 R20_U_Reefing-Radio_MCU1 R20_U_Reefing-Radio_MCU2 R21: library part "E24 - 10k", "SMD Chip Resistor E24", JLC=C25744, Unit Price=0.01
  R4 R8 R11 R12 R15 R19 R21: Number=-, Supplier=-
R5 R7: library part "E24 - 200k", "SMD Chip Resistor E24", JLC=C25764, Unit Price=0.01
R6 R9 R16 R17_U_Reefing-Radio_MCU1 R17_U_Reefing-Radio_MCU2: library part "E24 - 1.0k", "SMD Chip Resistor E24", JLC=C11702, Unit Price=0.01
  R16: Number=-, Supplier=-
R10: library part "E24 - 2.0k", "SMD Chip Resistor E24", JLC=C25879, Number=-, Supplier=-, Unit Price=0.01
R13 R14: library part "E24 - 4.7k", "SMD Chip Resistor E24", JLC=C25900, Number=-, Supplier=-, Unit Price=0.01
S1: library part "Switch SPDT G-Switch", "Slide Switch SPDT SMD", JLC=C778186, ComponentLink1Description=Datasheet, ComponentLink1URL=https://datasheet.lcsc.com/lcsc/2009021103_G-Switch-MK-12C02-G025_C778186.pdf
S2 S3: library part "Button 3mmx2.5mm", "Button SPST", JLC=C128937, Digikey=SW1020TR-ND
S4 S5 S6 S7 S8 S9: library part "Button 4.2mmx3.2mm", "Button SPST", LCSC=C139797
TP1 TP2 TP4 TP5 TP7 TP8 TP9 TP10 TP11 TP12 TP13 TP14 TP15 TP16 TP17 TP18 TP19 TP20 TP21 TP22: "Testpunkt", Component Value="Ø 0.8mm", Component Description=Testpoint, Unit Price=0.00
TP3 TP6: "Testpunkt", Unit Price=0.00
U1: "One Cell Li-ion and Li-poly Battery Protection IC", JLC=C2888102, ComponentLink1Description=Datasheet, ComponentLink1URL=https://datasheet.lcsc.com/lcsc/2108251630_RYCHIP-Semiconductor-Inc--RY2200_C2888102.pdf
U2: "High-Efficiency Synchronous Step-Down / synchronous step-down converters ideally suited for Converter 3.3V", JLC=C9051, ComponentLink1Description=Datasheet, ComponentLink1URL=https://www.ti.com/lit/ds/symlink/tps62203.pdf?HQS=dis-mous-null-mousermode-dsf-pf-null-wwe&ts=1645451444570&ref_url=https%253A%252F%252Fwww.mouser.ch%252F, Unit Price=1.03
U3: "800mA Lithium Ion Battery Linear Charger", JLC=C82121, ComponentLink1Description=Datasheet, ComponentLink1URL=https://datasheet.lcsc.com/lcsc/1809291612_MICRONE-Nanjing-Micro-One-Elec-ME4055AM6G-N_C82121.pdf, Unit Price=0.10
U4: "Fixed 5V Boost Converter", JLC=C236769, ComponentLink1Description=Datasheet, ComponentLink1URL=https://datasheet.lcsc.com/lcsc/1809041040_MICRONE-Nanjing-Micro-One-Elec-ME2188A50XG_C236769.pdf
U5: "WiFi 802.11b/g/n Transceiver Module 2.4GHz Antenna, Surface Mount", JLC=C701333, ComponentLink1Description=Datasheet, ComponentLink1URL=https://www.espressif.com/sites/default/files/documentation/esp32-s2-wroom_esp32-s2-wroom-i_datasheet_en.pdf, Digikey=1965-ESP32-S2-WROOMTR-ND
U6: "3-Axis Magnetic Sensor", JLC=C976032, ComponentLink1Description=Datasheet, ComponentLink1URL=https://datasheet.lcsc.com/lcsc/2012221837_QST-QMC5883L_C976032.pdf
U7: "Accelerometer, Gyroscope, Temperature, 6 Axis Sensor I²C, SPI Output", JLC=C784817, ComponentLink1Description=Datasheet, ComponentLink1URL=https://datasheet.lcsc.com/lcsc/2201131130_STMicroelectronics-LSM6DSRTR_C784817.pdf, Unit Price=4.88
U8: "Chinese Crap GNSS Module", JLC=C90770, ComponentLink1Description=Datasheet, ComponentLink1URL=https://datasheet.lcsc.com/lcsc/1810261521_ZHONGKEWEI-ATGM336H-5N31_C90770.pdf
U9_U_Reefing-Radio_MCU1 U9_U_Reefing-Radio_MCU2: "ARM® Cortex®-M0+ series Microcontroller IC 32-Bit 64MHz 128KB (128K x 8) FLASH 28-UFQFPN (4x4)", JLC=C529347, ComponentLink1Description=Datasheet, ComponentLink1URL=https://media.digikey.com/pdf/Data%20Sheets/ST%20Microelectronics%20PDFS/STM32G071_Rev1_DS.pdf, Digikey=497-18343-ND, Unit Price=4.07
U10_U_Reefing-Radio1 U10_U_Reefing-Radio2: "Long Range, Low Power, 2.4 GHz / Transceiver with Ranging Capability", JLC=C125969, ComponentLink1Description=Datasheet, ComponentLink1URL=https://media.digikey.com/pdf/Data%20Sheets/Semtech%20PDFs/SX1280-81_Rev3.2_Mar2020.pdf, Digikey=SX1280IMLTRTCT-ND, Unit Price=3.20
X1: library part "USB Type-C USB 2.0", "Typ-C", JLC=C167321, aliExpress=33045191307, Digikey=2073-USB4105-GF-ACT-ND, Farnell=3583366
X2 X4: "Female SMA Connector THT", JLC=C496550
X3: library part "18650 Battery Holder", "Single 18650 Battery Holder", JLC=C2988620, ComponentLink1Description=Datasheet, ComponentLink1URL=https://datasheet.lcsc.com/lcsc/2204021730_MYOUNG-BH-18650-B1BA002_C2988620.pdf
X5: library part "FPC/FFC 10 Pin / P 0.5", "10 Pin FPC/FFC Connector 0.5mm Pitch, Bottom Contact", JLC=C481219, ComponentLink1Description=Datasheet, ComponentLink1URL=https://datasheet.lcsc.com/lcsc/2001071405_XFCN-F0502-B-10-20T-R_C481219.pdf
X6: library part "X-JTAG-Header (ARM-Cortex)", Component Value="SHF-105-01-L-D-SM (2x5)", Component Description="JTAG-Header (ARM-Cortex)", ComponentLink1Description=Datasheet, ComponentLink1URL=https://datasheet.lcsc.com/lcsc/1810170717_UNI-ROYAL-Uniroyal-Elec-4D03WGJ0331T5E_C12018.pdf, Digikey=SAM10710-ND, Farnell=1885915, Mouser=200-SHF10501LDSM, Unit Price=2.89
X7_U_Reefing-Radio_MCU1 X7_U_Reefing-Radio_MCU2: "Tag-Connect for ARM-Cortex (6-Pin)", Unit Price=0.00

## Via types
v1: diameter 17.72, hole 7.87, Top Layer to Bottom Layer, tented both sides, 377 vias
v2: diameter 19.68, hole 11.81, Top Layer to Bottom Layer, tented both sides, 15 vias
v3: diameter 31.5, hole 15.75, Top Layer to Bottom Layer, tented both sides, 2 vias

## Nets (pads, with @x,y where several pads share a name; then routed paths per layer and width w, separated by ;. In a path a pad name is that pad's centre, name@x,y a point inside that pad or via, vN(x,y) a via of type N, cw(c..) or ccw(c..) an arc to the next point about the centre after c; other vN are vias at no path point)
3V3: C8.2 C9.2 C16.2 C17.2 C19.2 C20.2 C23.2 C24.2 C26.2 C27.2 C29_U_Reefing-Radio_MCU1.2 C29_U_Reefing-Radio_MCU2.2 C30_U_Reefing-Radio_MCU1.2 C30_U_Reefing-Radio_MCU2.2 C32_U_Reefing-Radio1.2 C32_U_Reefing-Radio2.2 L1.2 L2.1 Q4.S R9.2 R11.2 R12.2 R13.2 R14.2 R17_U_Reefing-Radio_MCU1.2 R17_U_Reefing-Radio_MCU2.2 R18_U_Reefing-Radio_MCU1.2 R18_U_Reefing-Radio_MCU2.2 R19.2 R21.2 TP6.1 U2.4 U5.2 U6.2 U6.4 U6.13 U7.5 U7.8 U8.6 U8.8 U9_U_Reefing-Radio_MCU1.3 U9_U_Reefing-Radio_MCU2.3 U10_U_Reefing-Radio1.11 U10_U_Reefing-Radio2.11 X6.1 X7_U_Reefing-Radio_MCU1.1 X7_U_Reefing-Radio_MCU2.1 | length 2413.2
  Mid Layer 1 w8: 1637.8,1881.89 1641.73,1885.83 v1(1681.1,1885.83) ; v1(1877.95,1870.08) 1909.45,1870.08
  Bottom Layer w6: C29_U_Reefing-Radio_MCU2.2@980.31,2496.38 982.31,2496.38 996.06,2510.13 1000,2510.13 ; U9_U_Reefing-Radio_MCU2.3@1000,2547.24 1000,2510.13 ; C30_U_Reefing-Radio_MCU2.2@1015.75,2496.38 1013.75,2496.38 1000,2510.13 ; U10_U_Reefing-Radio1.11@2972.44,2520.67 2972.44,2491.43 2990.13,2473.74 C32_U_Reefing-Radio1.2@2992.13,2473.74
  Bottom Layer w8: U5.2@354.33,1988.19 354.65,1988.5 C17.2@354.65,2066.93 C16.2@354.65,2106.3 R11.2@393.39,2106.3 ; v1(429.13,1185.04) 429.29,1184.88 429.29,1157.64 R19.2@429.45,1157.48 ; U10_U_Reefing-Radio2.11@492.13,2523.62 492.25,2523.5 492.25,2503.81 496.06,2500 496.06,2490.44 509.81,2476.69 C32_U_Reefing-Radio2.2@511.81,2476.69 ; v1(1605.39,2145.67) C27.2@1629.61,2145.67 ; C19.2@1665.35,1846.77 1665.35,1870.08 v1(1681.1,1885.83) R13.2@1751.65,1885.83 1751.97,1885.51 1751.97,1862.2 1742.13,1852.36 U6.13@1742.13,1833.66 ; C24.2@1712.28,1448.82 1712.28,1450.82 v1(1688.98,1474.13) 1688.98,1501.22 1693.66,1505.91 U7.8@1721.95,1505.91 ; U7.5@1791.34,1495.91 1791.34,1487.54 1806.44,1472.44 v1(1822.83,1472.44) 1830.71,1464.57 1830.71,1449.13 C23.2@1831.02,1448.82 ; U6.4@1821.85,1753.94 1835.98,1753.94 1857.95,1775.91 ; U6.2@1821.85,1793.31 1840.55,1793.31 1857.95,1775.91 ; C20.2@1877.95,1775.91 1857.95,1775.91 ; TP6.1@2220.47,996.06 2493.62,996.06 C8.2@2497.56,992.13 2497.56,997.13 2511.81,1011.38 U2.4@2511.81,1061.02 ; C29_U_Reefing-Radio_MCU1.2@2562.99,2496.38 2564.99,2496.38 2582.68,2514.06 ; U9_U_Reefing-Radio_MCU1.3@2582.68,2547.24 2582.68,2514.06 ; C30_U_Reefing-Radio_MCU1.2@2598.43,2496.38 2596.43,2496.38 2582.68,2510.13 2582.68,2514.06 ; v1(3472.44,1606.3) 3472.76,1605.98 R9.2@3472.76,1570.87
  Bottom Layer w10: v1(354.33,2137.8) 354.49,2137.64 354.49,2106.46 C16.2@354.65,2106.3 ; C32_U_Reefing-Radio2.2@511.81,2476.69 513.81,2476.69 541.83,2448.67 541.83,2446.36 v1(543.31,2444.88) ; R17_U_Reefing-Radio_MCU2.2@877.95,2767.4 878.11,2767.56 909.29,2767.56 v1(909.45,2767.72) ; X6.1@888.98,964.57 889.76,963.78 v1(889.76,877.95) ; v1(944.88,2429.13) R18_U_Reefing-Radio_MCU2.2@944.88,2456.38 ; C30_U_Reefing-Radio_MCU2.2@1015.75,2496.38 1015.91,2496.22 1043.15,2496.22 v1(1043.31,2496.06) ; v1(1125.98,2858.27) 1128.07,2858.27 1130.83,2861.02 X7_U_Reefing-Radio_MCU2.1@1175.79,2861.02 ; v1(1685.04,1622.05) R12.2@1708.35,1622.05 ; C20.2@1877.95,1775.91 1878.11,1775.75 1905.35,1775.75 v1(1905.51,1775.59) ; R14.2@1877.95,1846.77 v1(1877.95,1870.08) ; v1(2291.34,2795.28) 2291.34,2834.84 X7_U_Reefing-Radio_MCU1.1@2317.52,2861.02 ; v1(2527.56,2433.07) R18_U_Reefing-Radio_MCU1.2@2527.56,2456.38 ; C30_U_Reefing-Radio_MCU1.2@2598.43,2496.38 2598.58,2496.22 2625.83,2496.22 v1(2625.98,2496.06) ; R17_U_Reefing-Radio_MCU1.2@2665.35,2767.4 2665.51,2767.56 2692.76,2767.56 v1(2692.91,2767.72) ; C32_U_Reefing-Radio1.2@2992.13,2473.74 2994.13,2473.74 3018.21,2449.66 3018.21,2434.55 v1(3019.69,2433.07) ; L2.1@3001.97,2267.72 3001.97,2269.25 3026.5,2293.78 C9.2@3066.93,2293.78 3067.68,2294.53 3101.61,2294.53 v1(3102.36,2295.28)
  Bottom Layer w15: U8.8@1556.1,2234.25 1556.83,2233.52 1556.83,2150.33 C26.2@1557.56,2149.61 1560.98,2146.19 1604.87,2146.19 v1(1605.39,2145.67) ; C27.2@1629.61,2145.67 1629.92,2145.98 1629.92,2169.29 1642.72,2182.09 U8.6@1642.72,2234.25
  Bottom Layer w20: Q4.S@2088.58,1921.26 v1(2088.58,1867.8) 2103.98,1852.39 2105.98,1852.39 R21.2@2105.98,1850.39
  other v2: 2251.97,980.32 2279.53,980.32 2251.97,1011.81 2279.53,1011.81
3V3A_RADIO: C10.2 C36_U_Reefing-Radio1.2 C36_U_Reefing-Radio2.2 C37_U_Reefing-Radio1.2 C37_U_Reefing-Radio2.2 L2.2 TP7.1 U10_U_Reefing-Radio1.15 U10_U_Reefing-Radio2.15 | length 3366.4
  Top Layer w15: v1(311.02,2578.74) 311.02,2503.94 348.72,2466.24 2352.66,2466.24 2425.2,2393.7 v1(2803.15,2393.7)
  Bottom Layer w6: C36_U_Reefing-Radio1.2@2832.87,2589.69 2923.1,2589.69 U10_U_Reefing-Radio1.15@2923.23,2589.57
  Bottom Layer w8: v1(311.02,2578.74) 327.09,2594.8 C36_U_Reefing-Radio2.2@350.39,2594.8 352.55,2592.65 442.79,2592.65 U10_U_Reefing-Radio2.15@442.91,2592.52
  Bottom Layer w15: TP7.1@2755.91,2358.27 C10.2@2755.91,2297.72 2802.78,2297.72 L2.2@2824.8,2275.69 ; L2.2@2824.8,2267.72 L2.2@2824.8,2275.69 ; C36_U_Reefing-Radio1.2@2832.87,2589.69 2794.42,2589.69 2779.53,2574.8 2779.53,2527.56 2803.15,2503.94 v1(2803.15,2393.7) 2803.15,2392.97 2824.8,2371.31 L2.2@2824.8,2275.69
5V: C14.2 C15.2 C25.2 TP8.1 U4.3 X5.5 X5.6 X5.7 | length 892.1
  Bottom Layer w8: X5.7@1742.13,1290.85 1742.13,1344.17 C25.2@1744.41,1346.46 ; X5.6@1761.81,1290.85 1761.81,1327.06 ; X5.5@1781.5,1290.85 1781.5,1324.61 1779.06,1327.06 1761.81,1327.06 ; TP8.1@2228.35,1287.4 C15.2@2228.35,1340.08 ; U4.3@2374.02,1303.15 2340.27,1303.15 2281.53,1361.89 C14.2@2279.53,1361.89 2277.53,1361.89 2255.72,1340.08 C15.2@2228.35,1340.08 ; C25.2@1744.41,1346.46 1744.41,1344.46 1761.81,1327.06 ; C25.2@1744.41,1346.46 2221.97,1346.46 C15.2@2228.35,1340.08
BGND: C1.1 U1.3 X3.2 | length 915.1
  Bottom Layer w8: U1.3@3023.62,1003.94 3072.49,1003.94 C1.1@3092.49,983.94
  Bottom Layer w20: 3216.54,620.85 3335.39,620.85 3456.69,620.85
  Bottom Layer w50: 3021.62,980.25 3021.62,942.95 3066.93,897.64 3251.97,897.64 3335.39,814.21 3335.39,620.85
BUSY_U_Reefing-Radio_MCU1: U9_U_Reefing-Radio_MCU1.15 U10_U_Reefing-Radio1.7 | length 1054.2
  Top Layer w8: v1(2444.88,2736.22) 2397.64,2688.98 2397.64,2633.86 2421.26,2610.24 2421.26,2507.87 2450.93,2478.2 2651.43,2478.2 2663.53,2490.3 3069.04,2490.3 v1(3070.87,2492.13)
  Bottom Layer w6: U10_U_Reefing-Radio1.7@3051.18,2520.67 3051.18,2500 3059.06,2492.13 v1(3070.87,2492.13)
  Bottom Layer w8: v1(2444.88,2736.22) 2488.19,2736.22 2503.94,2720.47 U9_U_Reefing-Radio_MCU1.15@2503.94,2700.79
BUSY_U_Reefing-Radio_MCU2: U9_U_Reefing-Radio_MCU2.15 U10_U_Reefing-Radio2.7 | length 570.9
  Bottom Layer w6: U10_U_Reefing-Radio2.7@570.87,2523.62 570.87,2500 578.74,2492.13 763.78,2492.13 784.57,2512.92 784.57,2650.72 862.2,2728.35 913.39,2728.35 921.26,2720.47 921.26,2708.66
C\S\: TP20.1 U5.28 X5.3 | length 965.9
  Bottom Layer w8: U5.28@1122.05,1299.21 1122.05,1216.54 1177.17,1161.42 TP20.1@1397.64,1161.42 1468.5,1090.55 1704.72,1090.55 1820.87,1206.69 X5.3@1820.87,1290.85
CS_U_Reefing-Radio_MCU1: U9_U_Reefing-Radio_MCU1.14 U10_U_Reefing-Radio1.19 | length 633.7
  Top Layer w8: v1(2429.13,2681.1) 2486.36,2738.33 2708.86,2738.33 2709.14,2738.05 2903.68,2738.05 v1(2925.2,2716.54)
  Bottom Layer w6: v1(2925.2,2716.54) 2925.2,2715.16 2952.76,2687.6 U10_U_Reefing-Radio1.19@2952.76,2678.15
  Bottom Layer w8: v1(2429.13,2681.1) U9_U_Reefing-Radio_MCU1.14@2484.25,2681.1
CS_U_Reefing-Radio_MCU2: U9_U_Reefing-Radio_MCU2.14 U10_U_Reefing-Radio2.19 | length 577
  Top Layer w8: v1(413.39,2712.6) 429.13,2696.85 v1(858.27,2696.85)
  Bottom Layer w6: v1(858.27,2696.85) 874.02,2681.1 893.7,2681.1
  Bottom Layer w8: v1(413.39,2712.6) 460.63,2712.6 472.44,2700.79 U10_U_Reefing-Radio2.19@472.44,2681.1
DIO1_U_Reefing-Radio_MCU1: U9_U_Reefing-Radio_MCU1.11 U10_U_Reefing-Radio1.8 | length 1003.5
  Top Layer w8: v1(2374.02,2622.05) 2374.02,2500 2423.09,2450.93 3027.08,2450.93 3027.33,2450.68 3041.45,2450.68 v1(3043.31,2448.82)
  Bottom Layer w6: U10_U_Reefing-Radio1.8@3031.5,2520.67 3031.5,2496.06 3043.31,2484.25 v1(3043.31,2448.82)
  Bottom Layer w8: v1(2374.02,2622.05) U9_U_Reefing-Radio_MCU1.11@2488.19,2622.05
DIO1_U_Reefing-Radio_MCU2: U9_U_Reefing-Radio_MCU2.11 U10_U_Reefing-Radio2.8 | length 482.8
  Bottom Layer w6: U10_U_Reefing-Radio2.8@551.18,2523.62 551.18,2492.13 566.93,2476.38 787.4,2476.38 799.21,2488.19 799.21,2536.16 865.73,2602.68 870.61,2602.68 883,2615.06 883,2618.53 886.51,2622.05 U9_U_Reefing-Radio_MCU2.11@905.51,2622.05
DIO2_U_Reefing-Radio_MCU1: U9_U_Reefing-Radio_MCU1.10 U10_U_Reefing-Radio1.9 | length 880.7
  Top Layer w8: v1(2401.57,2602.36) 2401.57,2500 2435.37,2466.2 2678.8,2466.2 2685.04,2472.44 v1(3023.62,2472.44)
  Bottom Layer w6: U10_U_Reefing-Radio1.9@3011.81,2520.67 3011.81,2494.89 3023.62,2483.08 v1(3023.62,2472.44)
  Bottom Layer w8: v1(2401.57,2602.36) U9_U_Reefing-Radio_MCU1.10@2488.19,2602.36
DIO2_U_Reefing-Radio_MCU2: U9_U_Reefing-Radio_MCU2.10 U10_U_Reefing-Radio2.9 | length 522.4
  Bottom Layer w6: U10_U_Reefing-Radio2.9@531.5,2523.62 531.5,2492.13 562.99,2460.63 814.96,2460.63 818.9,2464.57 818.9,2541.7 869.87,2592.68 874.75,2592.68 884.44,2602.36 U9_U_Reefing-Radio_MCU2.10@905.51,2602.36
DIS_EXT: TP18.1 U5.25 X5.8 | length 627.1
  Bottom Layer w8: U5.25@1210.63,1437.01 1318.9,1437.01 TP18.1@1397.64,1358.27 1562.99,1358.27 1673.23,1248.03 1712.6,1248.03 1722.44,1257.87 X5.8@1722.44,1290.85
DIS_VCOM: TP19.1 U5.27 X5.4 | length 831.7
  Bottom Layer w8: U5.27@1181.1,1299.21 1181.1,1259.84 1220.47,1220.47 TP19.1@1397.64,1220.47 1507.87,1110.24 1681.1,1110.24 1801.18,1230.32 X5.4@1801.18,1290.85